# Altium PCB Digital_Optical.PcbDoc (part 1 of 3)
Units mm, origin at the board's own origin, x right, y up, seen from the top; angles counter-clockwise.
Board outline 155.98 x 100 mm, 2 copper layers (Top Layer, Bottom Layer); 402 components, 235 nets, 1241 pads, 390 vias.
Unrouted connection lines stored in the file: 44.
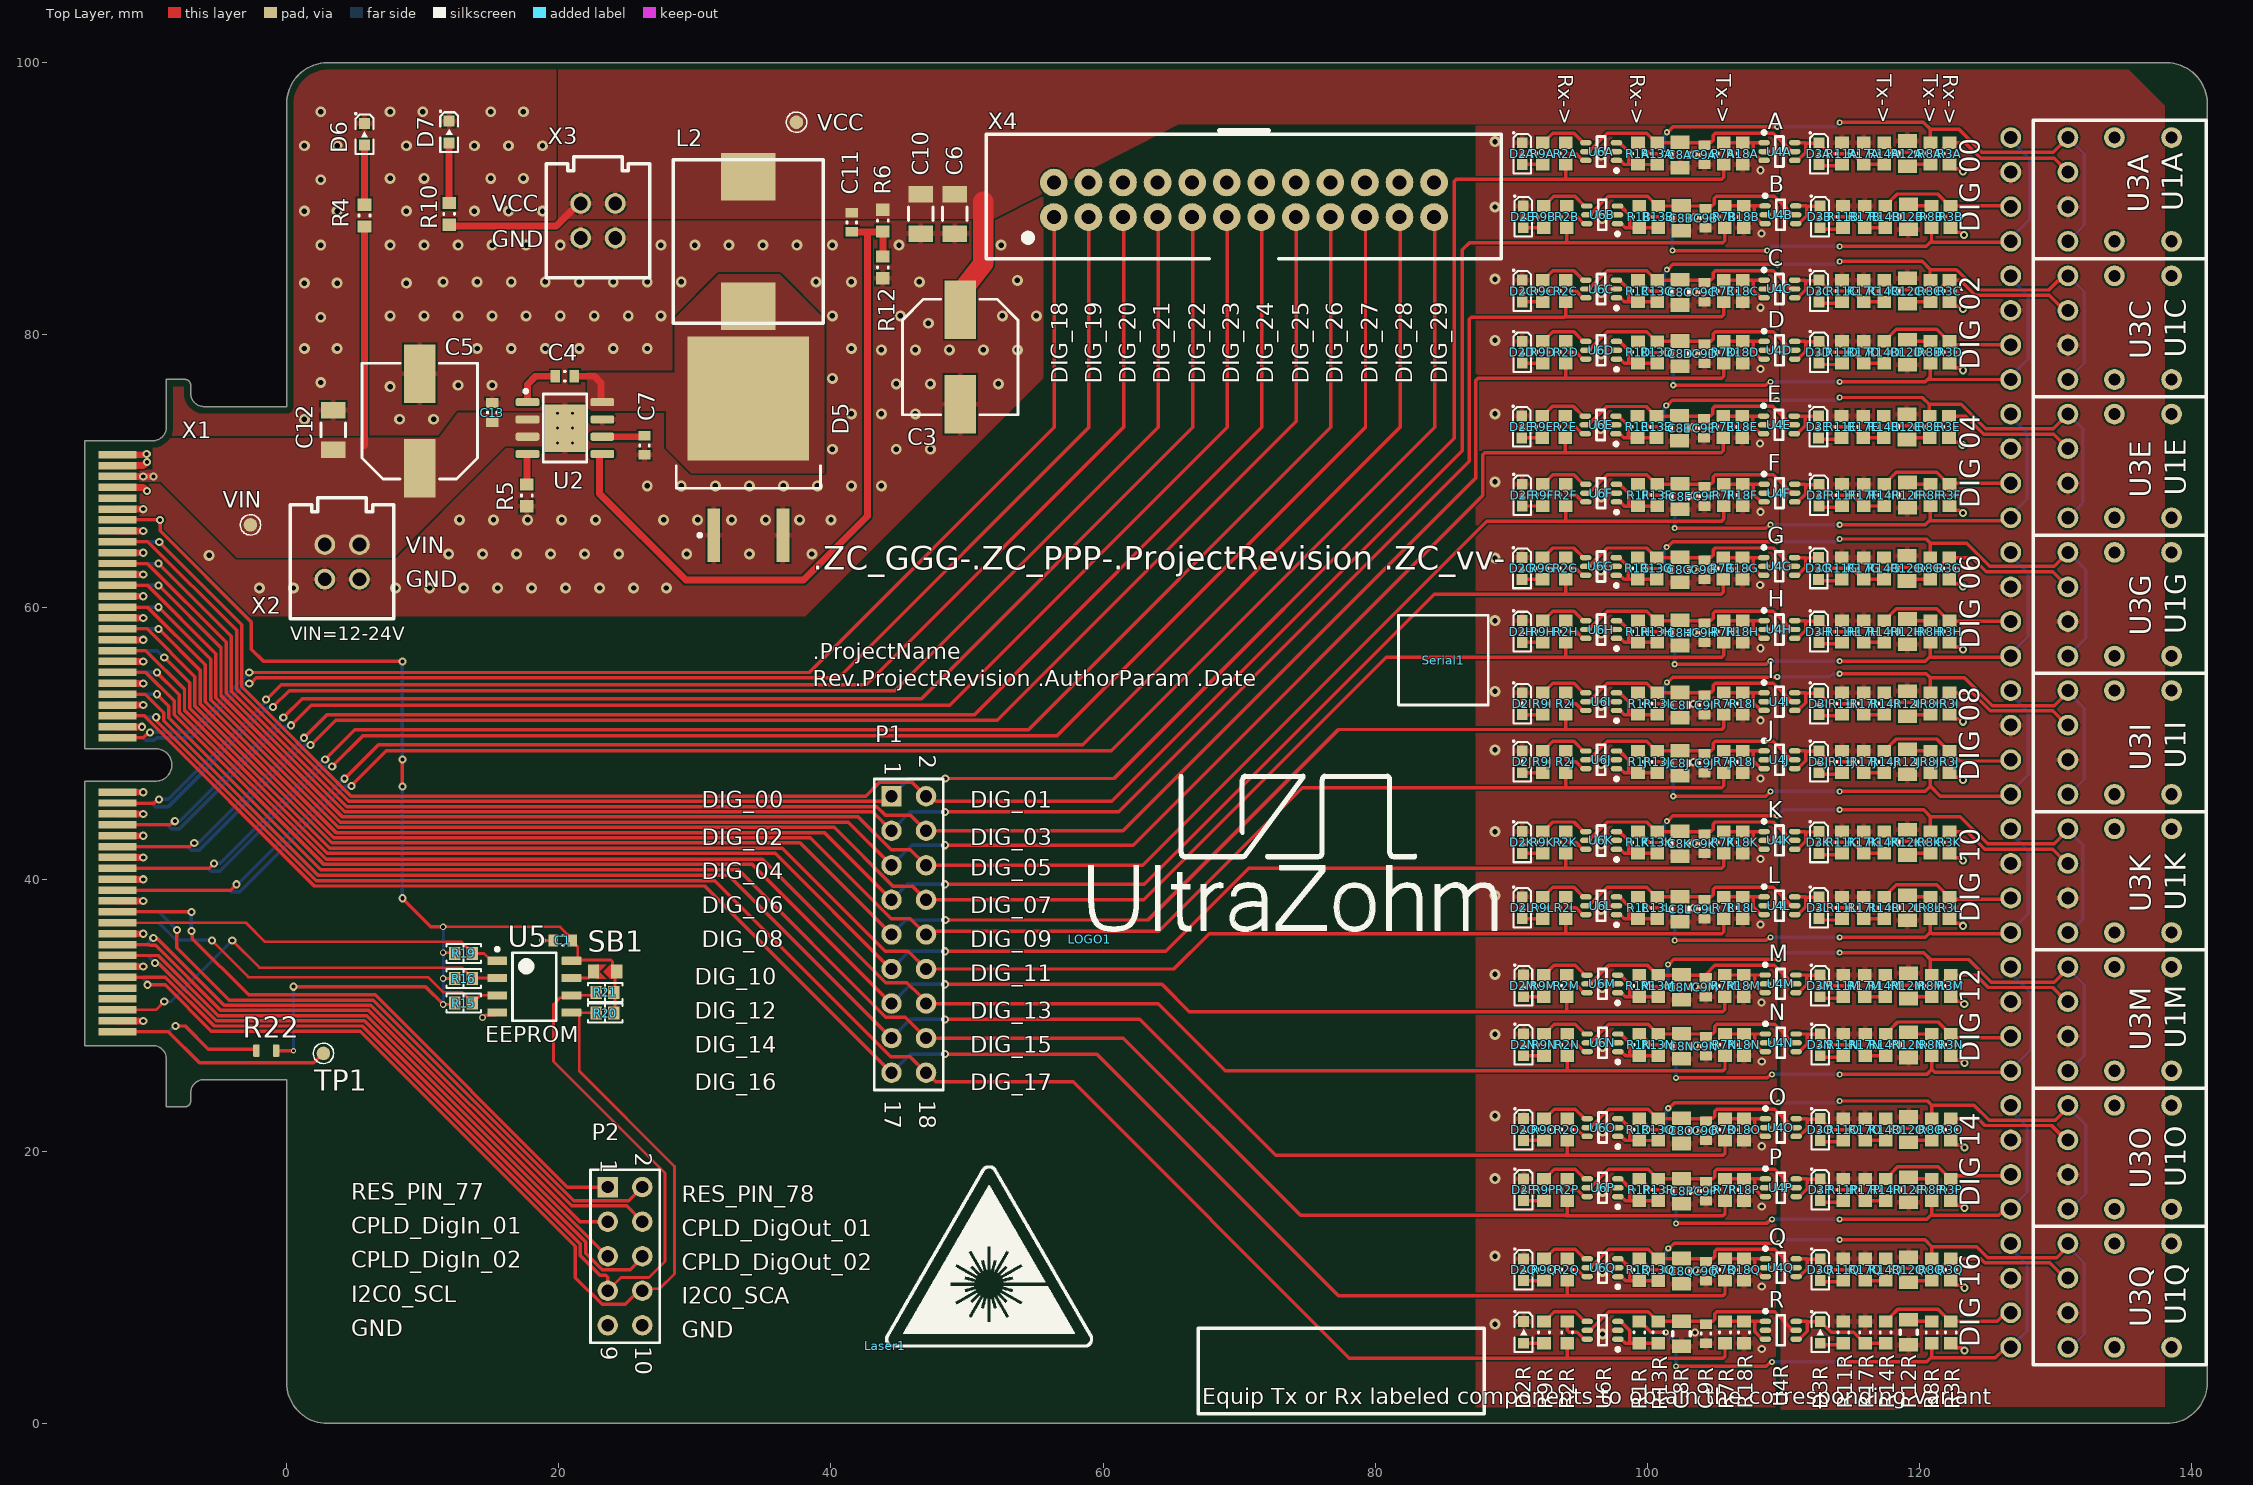
[diagram p0: Top Layer view]
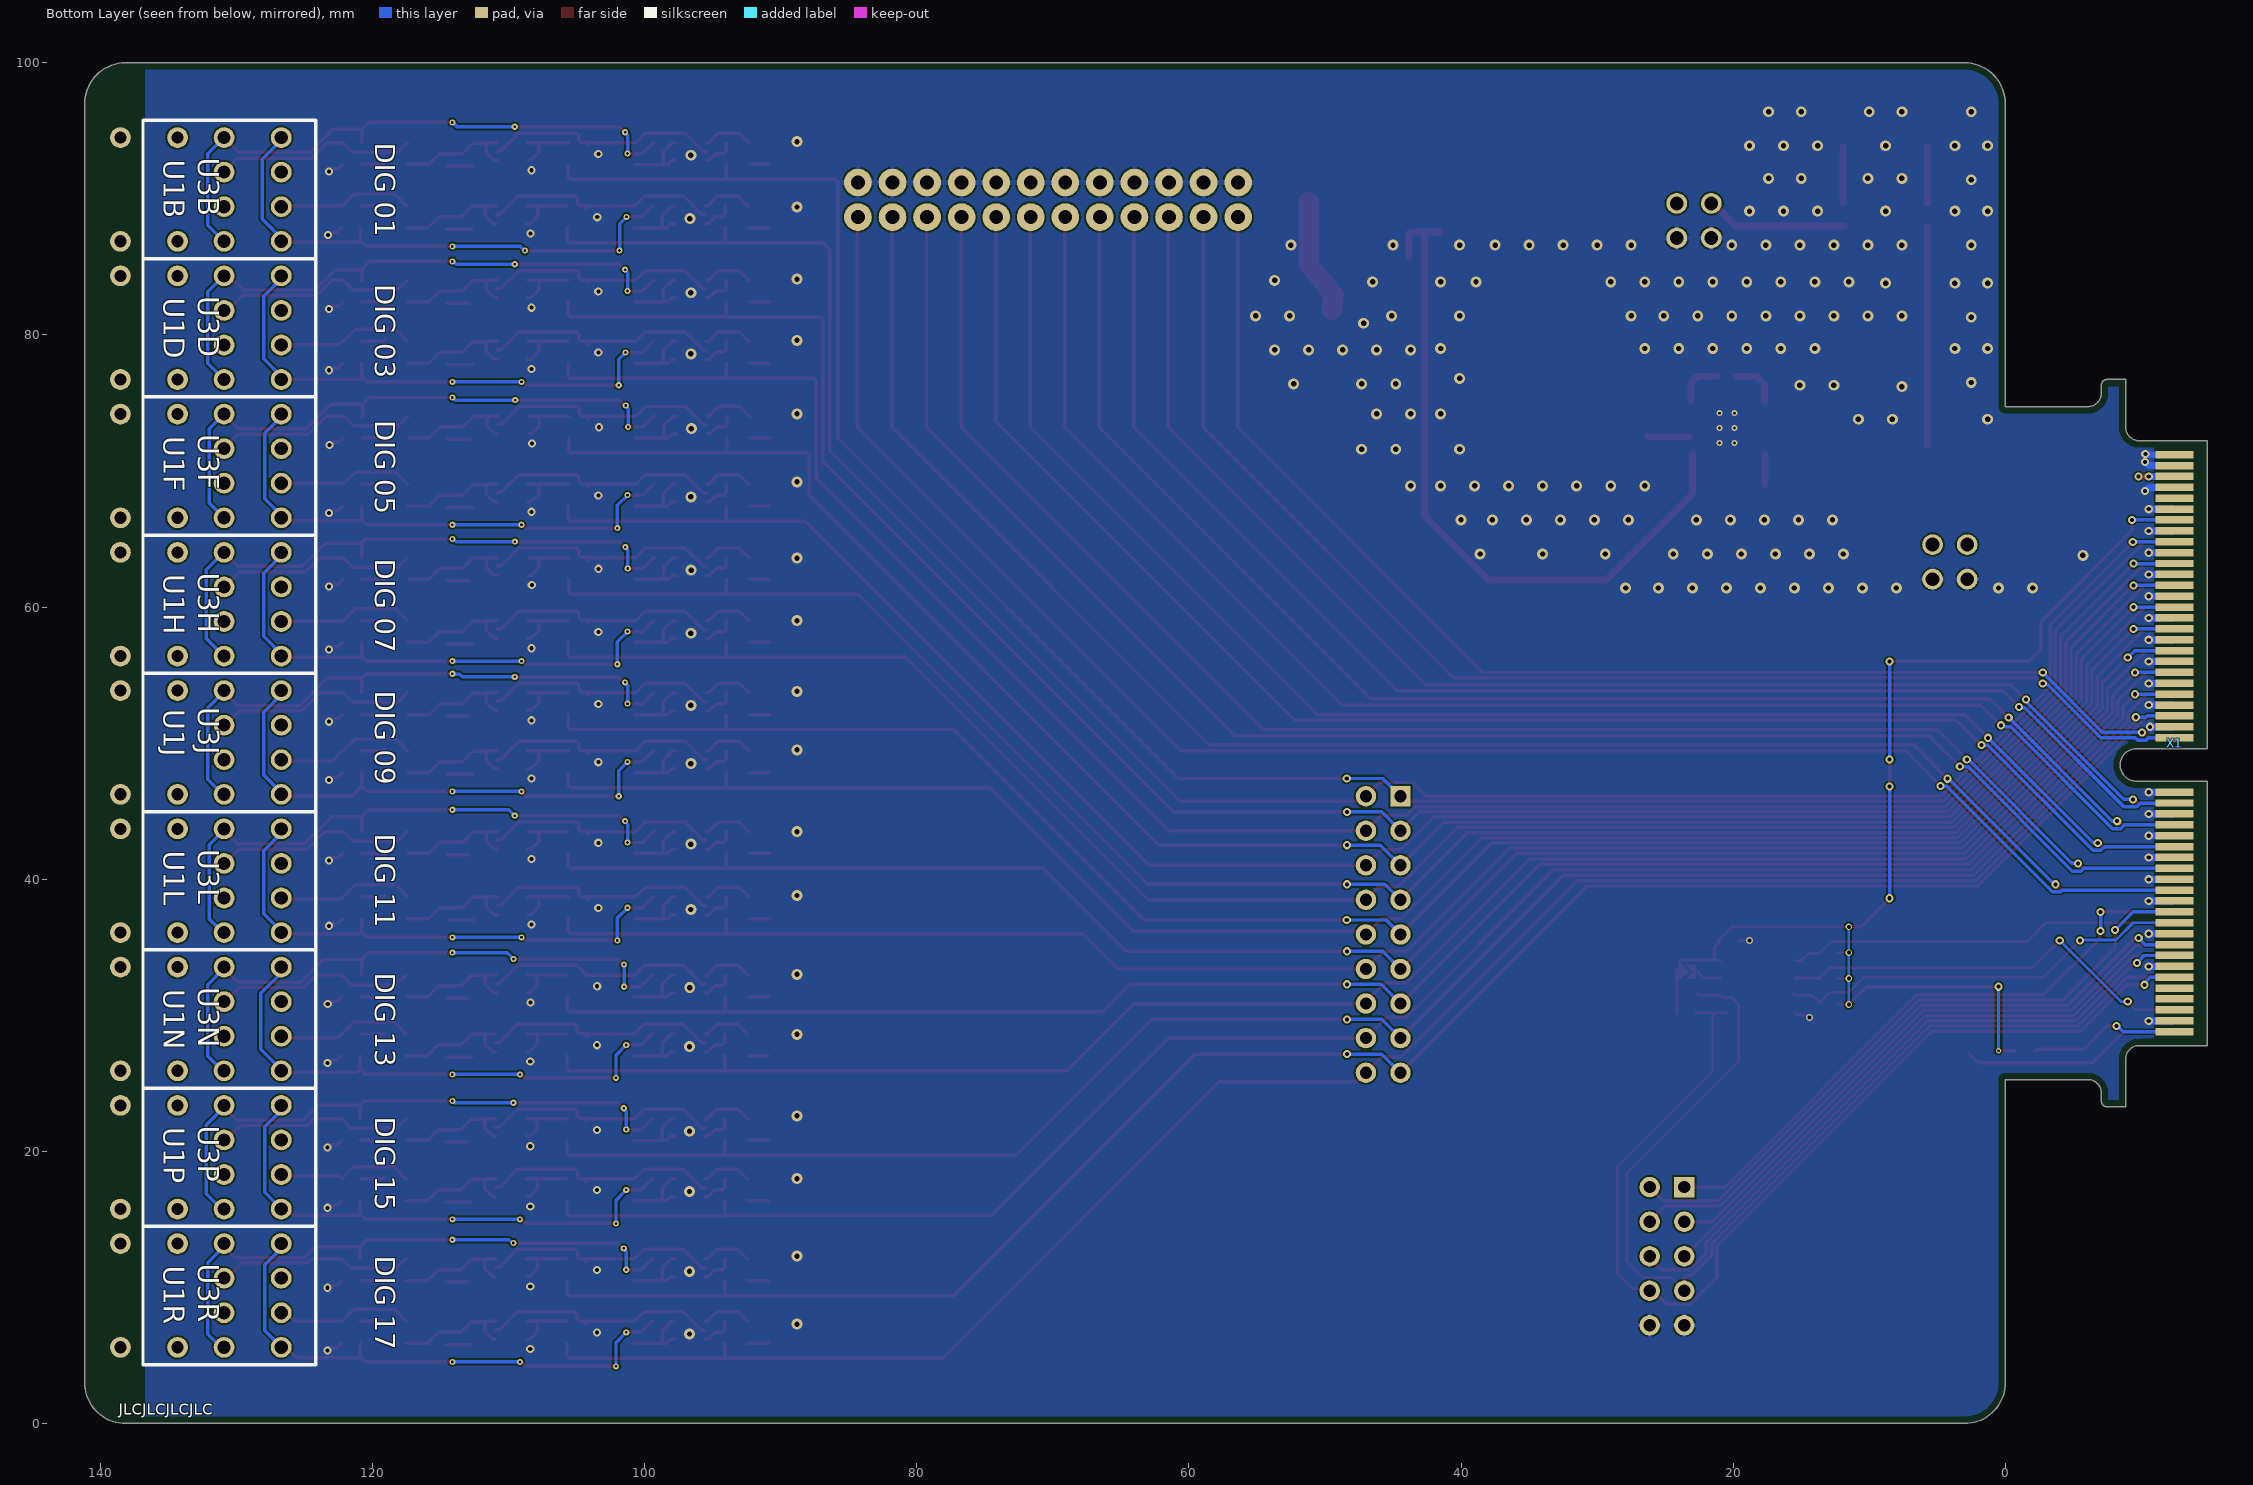
[diagram p1: Bottom Layer view, seen from below]
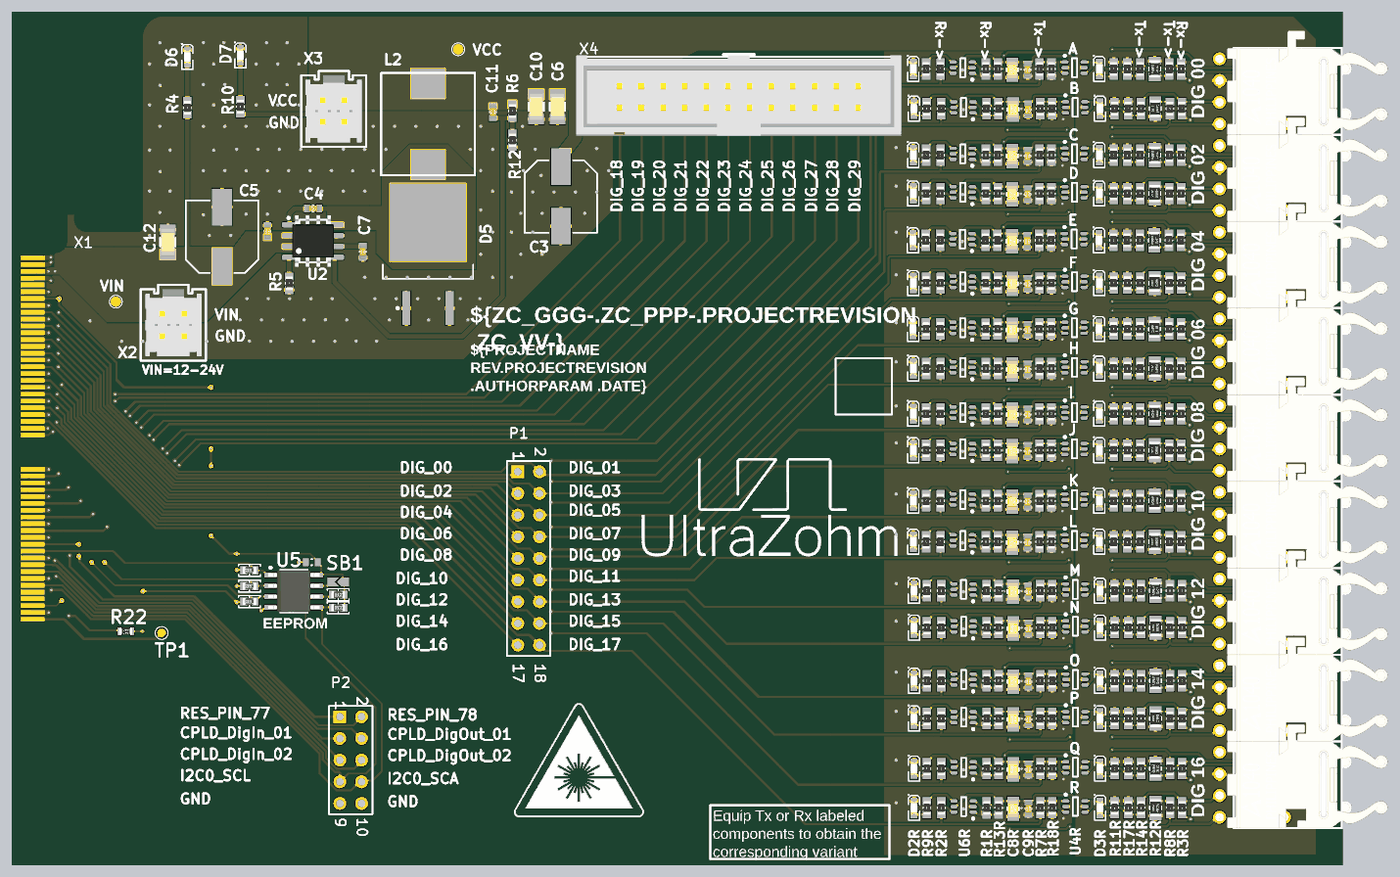
[diagram p4: 3D render of the assembled board from above, using the file's embedded part models]
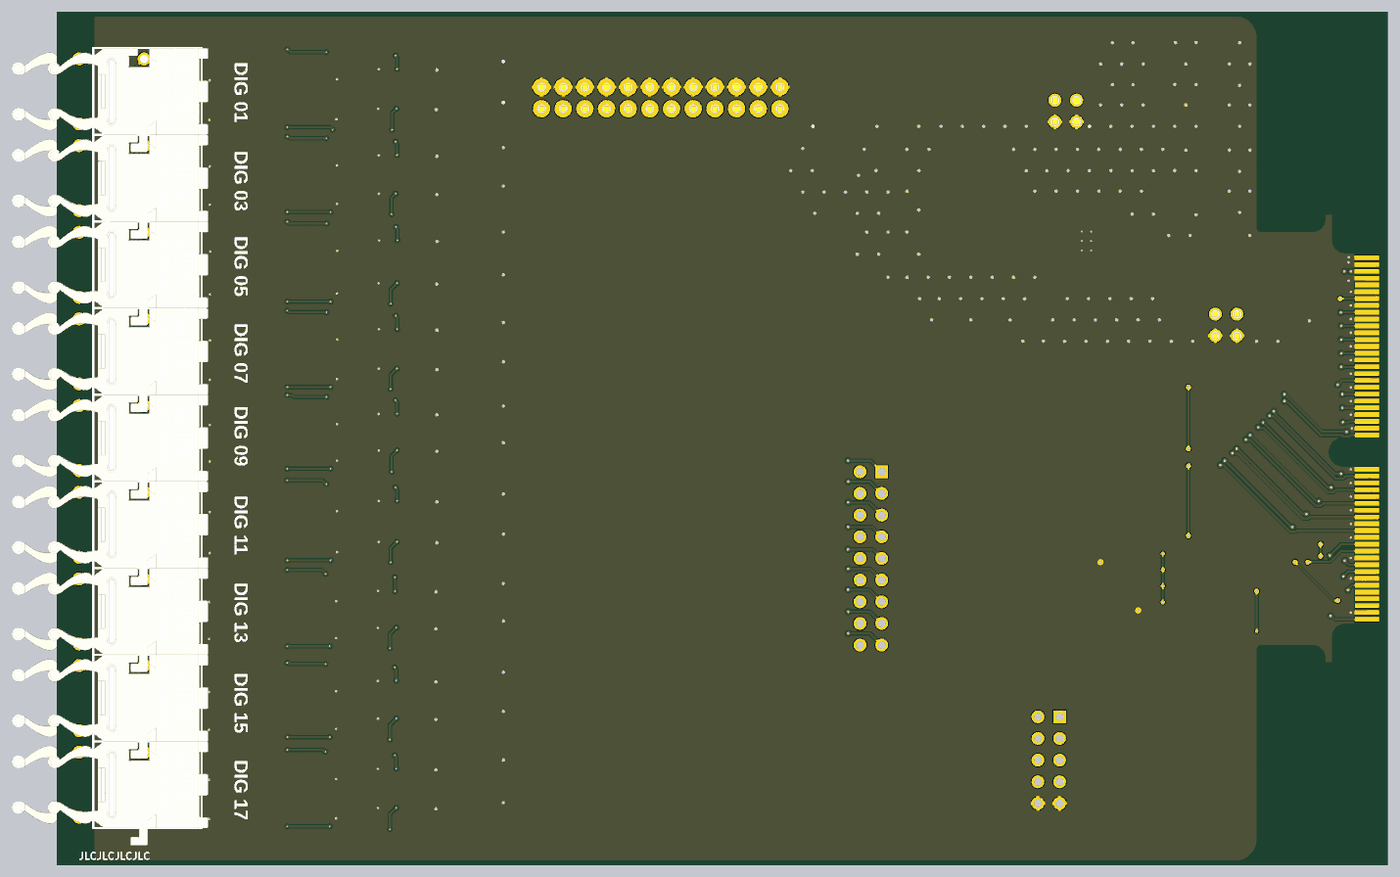
[diagram p5: 3D render of the assembled board from below, using the file's embedded part models]

## Layer stack, top to bottom
Top Solder: solder mask 0.0102, Solder Resist, Dk 3.5
Top Layer: signal copper 0.0356
Dielectric 1: dielectric 0.32, FR-4, Dk 4.8
Bottom Layer: signal copper 0.0356
Bottom Solder: solder mask 0.0102, Solder Resist, Dk 3.5

## Board outline
-14.84,27.775 -9.84,27.775 cw(c-9.84,26.775) -8.84,26.775 -8.84,23.275 -7.46,23.275 ccw(c-7.46,23.675) -7.06,23.675 -7.06,24.275 cw(c-6.06,24.275) -6.06,25.275 0,25.275 0,3 ccw(c3,3) 3,0 138.141,0 ccw(c138.141,3) 141.141,3 141.141,97 ccw(c138.141,97) 138.141,100 3,100 ccw(c3,97) 0,97 0,74.725 -6.06,74.725 cw(c-6.06,75.725) -7.06,75.725 -7.06,76.325 ccw(c-7.46,76.325) -7.46,76.725 -8.84,76.725 -8.84,73.225 cw(c-9.84,73.225) -9.84,72.225 -14.84,72.225 -14.84,49.6 -9.64,49.6 cw(c-9.64,48.4) -9.64,47.2 -14.84,47.2

## Design rules (kind name [scope] priority, off if disabled: settings)
BoardOutlineClearance [All] p1: gap=0.508 ignorepadtopadclearanceinfootprint=FALSE except(0: Arc-OutlineEdge Arc-CavityEdge Arc-CutoutEdge Arc-SplitBarrior Arc-SplitContinuation Track-OutlineEdge Track-CavityEdge Track-CutoutEdge Track-SplitBarrior Track-SplitContinuation Region-OutlineEdge Region-CavityEdge Region-CutoutEdge Region-SplitBarrior Region-SplitContinuation Text-OutlineEdge Text-CavityEdge Text-CutoutEdge Text-SplitBarrior Text-SplitContinuation)
Clearance Clearance_Vin [InNet('VIN') vs InNet('VIN') AND NOT InComponent('X1')] p1: gap=0.375 ignorepadtopadclearanceinfootprint=FALSE
Clearance Clearance_1 [All] p2: gap=0.127 ignorepadtopadclearanceinfootprint=FALSE
HoleSize [All] p1: absolutevalues=TRUE maxlimit=6.3 minlimit=0.2 maxpercent=80.000 minpercent=20.000
MinimumSolderMaskSliver [All] p1: minsoldermaskwidth=0
PolygonConnect PolygonConnect_1 [InNet('VIN')   or InNet('SW') or (InNet('VCC')   and InComponentClass('Power'))] p1: connectstyle=Direct reliefconductorwidth=0.4 reliefentries=4 polygonreliefangle="90 Angle" airgapwidth=0.254
PolygonConnect [All] p2: thpad.connectstyle=Relief thpad.reliefconductorwidth=0.381 thpad.reliefentries=4 thpad.polygonreliefangle="90 Angle" thpad.airgapwidth=0.127 smdpad.connectstyle=Relief smdpad.reliefconductorwidth=0.381 smdpad.reliefentries=4 smdpad.polygonreliefangle="90 Angle" smdpad.airgapwidth=0.127 via.connectstyle=Direct via.reliefconductorwidth=0.381 via.reliefentries=4 via.polygonreliefangle="90 Angle" via.airgapwidth=0.127
RoomDefinition TX_RX17 [InComponentClass('TX_RX17')] p1: confinementstyle=ConfineIn formatcopy=TRUE lockcomponents=FALSE outline 90,4.5 123.9,4.5 123.9,8.8 90,8.8
RoomDefinition TX_RX0 [InComponentClass('TX_RX0')] p2: confinementstyle=ConfineIn formatcopy=TRUE lockcomponents=FALSE outline 89.9,91.125 123.8,91.125 123.8,95.425 89.9,95.425
RoomDefinition TX_RX9 [InComponentClass('TX_RX9')] p3: confinementstyle=ConfineIn formatcopy=TRUE lockcomponents=FALSE outline 89.9,46.425 123.8,46.425 123.8,50.725 89.9,50.725
RoomDefinition TX_RX2 [InComponentClass('TX_RX2')] p4: confinementstyle=ConfineIn formatcopy=TRUE lockcomponents=FALSE outline 89.9,81.025 123.8,81.025 123.8,85.325 89.9,85.325
RoomDefinition TX_RX16 [InComponentClass('TX_RX16')] p5: confinementstyle=ConfineIn formatcopy=TRUE lockcomponents=FALSE outline 90,9.1 123.9,9.1 123.9,13.4 90,13.4
RoomDefinition TX_RX15 [InComponentClass('TX_RX15')] p6: confinementstyle=ConfineIn formatcopy=TRUE lockcomponents=FALSE outline 90,14.975 123.9,14.975 123.9,19.275 90,19.275
RoomDefinition TX_RX14 [InComponentClass('TX_RX14')] p7: confinementstyle=ConfineIn formatcopy=TRUE lockcomponents=FALSE outline 90,19.4 123.9,19.4 123.9,23.7 90,23.7
RoomDefinition TX_RX13 [InComponentClass('TX_RX13')] p8: confinementstyle=ConfineIn formatcopy=TRUE lockcomponents=FALSE outline 90,25.625 123.9,25.625 123.9,29.925 90,29.925
RoomDefinition TX_RX10 [InComponentClass('TX_RX10')] p9: confinementstyle=ConfineIn formatcopy=TRUE lockcomponents=FALSE outline 89.9,40.5 123.8,40.5 123.8,44.8 89.9,44.8
RoomDefinition TX_RX8 [InComponentClass('TX_RX8')] p10: confinementstyle=ConfineIn formatcopy=TRUE lockcomponents=FALSE outline 89.9,50.7 123.8,50.7 123.8,55 89.9,55
RoomDefinition TX_RX7 [InComponentClass('TX_RX7')] p11: confinementstyle=ConfineIn formatcopy=TRUE lockcomponents=FALSE outline 89.9,56 123.8,56 123.8,60.3 89.9,60.3
RoomDefinition TX_RX6 [InComponentClass('TX_RX6')] p12: confinementstyle=ConfineIn formatcopy=TRUE lockcomponents=FALSE outline 89.886,60.636 123.786,60.636 123.786,64.936 89.886,64.936
RoomDefinition TX_RX5 [InComponentClass('TX_RX5')] p13: confinementstyle=ConfineIn formatcopy=TRUE lockcomponents=FALSE outline 89.9,66.025 123.8,66.025 123.8,70.325 89.9,70.325
RoomDefinition TX_RX4 [InComponentClass('TX_RX4')] p14: confinementstyle=ConfineIn formatcopy=TRUE lockcomponents=FALSE outline 89.861,71.036 123.761,71.036 123.761,75.336 89.861,75.336
RoomDefinition TX_RX3 [InComponentClass('TX_RX3')] p15: confinementstyle=ConfineIn formatcopy=TRUE lockcomponents=FALSE outline 89.9,76.525 123.8,76.525 123.8,80.825 89.9,80.825
RoomDefinition TX_RX1 [InComponentClass('TX_RX1')] p16: confinementstyle=ConfineIn formatcopy=TRUE lockcomponents=FALSE outline 89.975,86.475 123.875,86.475 123.875,90.775 89.975,90.775
RoomDefinition TX_RX11 [InComponentClass('TX_RX11')] p17: confinementstyle=ConfineIn formatcopy=TRUE lockcomponents=FALSE outline 89.9,35.7 123.8,35.7 123.8,40 89.9,40
RoomDefinition TX_RX12 [InComponentClass('TX_RX12')] p18: confinementstyle=ConfineIn formatcopy=TRUE lockcomponents=FALSE outline 89.983,29.958 123.883,29.958 123.883,34.258 89.983,34.258
RoomDefinition Power [InComponentClass('Power')] p19: confinementstyle=ConfineIn formatcopy=TRUE lockcomponents=FALSE outline -3.821,58.647 60.879,58.647 60.879,96.847 -3.821,96.847
RoutingVias [All] p1: holewidth=0.3 width=0.6 viastyle="Through Hole" minholewidth=0.3 minwidth=0.6 maxholewidth=0.4 maxwidth=0.8
SMDToPlane [All] p1 off: distance=0
SilkToSilkClearance [All] p1: silktosilkclearance=0
SilkToSolderMaskClearance [IsPad] p1: minsilkscreentomaskgap=0 clearancetoexposedcopper=TRUE
SolderMaskExpansion [All] p1: expansion=0.102 istentingtop=FALSE
Width Width_PWR [InNet('VCC') or InNet('GND') or InNet('VIN')] p1: maxlimit=1.5 minlimit=0.127 preferedwidth=0.508 minimp=50.000000 maximp=50.000000 favimp=50.000000
Width [All] p2: maxlimit=1.5 minlimit=0.127 preferedwidth=0.254 minimp=50.000000 maximp=50.000000 favimp=50.000000
26 further rules are at their usual default settings.

## Classes and differential pairs
component class TX_RX0: C8A C9A D2A D3A R1A R2A R3A R7A R8A R9A R11A R12A R13A R14A R17A R18A U1A U3A U4A U6A
channel class Optical_RX_TX: TX_RX0 TX_RX1 TX_RX2 TX_RX3 TX_RX4 TX_RX5 TX_RX6 TX_RX7 TX_RX8 TX_RX9 TX_RX10 TX_RX11 TX_RX12 TX_RX13 TX_RX14 TX_RX15 TX_RX16 TX_RX17
component class TX_RX17: C8R C9R D2R D3R R1R R2R R3R R7R R8R R9R R11R R12R R13R R14R R17R R18R U1R U3R U4R U6R
component class TX_RX16: C8Q C9Q D2Q D3Q R1Q R2Q R3Q R7Q R8Q R9Q R11Q R12Q R13Q R14Q R17Q R18Q U1Q U3Q U4Q U6Q
component class TX_RX15: C8P C9P D2P D3P R1P R2P R3P R7P R8P R9P R11P R12P R13P R14P R17P R18P U1P U3P U4P U6P
component class TX_RX14: C8O C9O D2O D3O R1O R2O R3O R7O R8O R9O R11O R12O R13O R14O R17O R18O U1O U3O U4O U6O
component class TX_RX13: C8N C9N D2N D3N R1N R2N R3N R7N R8N R9N R11N R12N R13N R14N R17N R18N U1N U3N U4N U6N
component class TX_RX12: C8M C9M D2M D3M R1M R2M R3M R7M R8M R9M R11M R12M R13M R14M R17M R18M U1M U3M U4M U6M
component class TX_RX11: C8L C9L D2L D3L R1L R2L R3L R7L R8L R9L R11L R12L R13L R14L R17L R18L U1L U3L U4L U6L
component class TX_RX10: C8K C9K D2K D3K R1K R2K R3K R7K R8K R9K R11K R12K R13K R14K R17K R18K U1K U3K U4K U6K
component class TX_RX9: C8J C9J D2J D3J R1J R2J R3J R7J R8J R9J R11J R12J R13J R14J R17J R18J U1J U3J U4J U6J
component class TX_RX8: C8I C9I D2I D3I R1I R2I R3I R7I R8I R9I R11I R12I R13I R14I R17I R18I U1I U3I U4I U6I
component class TX_RX7: C8H C9H D2H D3H R1H R2H R3H R7H R8H R9H R11H R12H R13H R14H R17H R18H U1H U3H U4H U6H
component class TX_RX6: C8G C9G D2G D3G R1G R2G R3G R7G R8G R9G R11G R12G R13G R14G R17G R18G U1G U3G U4G U6G
component class TX_RX5: C8F C9F D2F D3F R1F R2F R3F R7F R8F R9F R11F R12F R13F R14F R17F R18F U1F U3F U4F U6F
net class Signal[0..17]: Signal0 Signal1 Signal2 Signal3 Signal4 Signal5 Signal6 Signal7 Signal8 Signal9 Signal10 Signal11 Signal12 Signal13 Signal14 Signal15 Signal16 Signal17
component class TX_RX4: C8E C9E D2E D3E R1E R2E R3E R7E R8E R9E R11E R12E R13E R14E R17E R18E U1E U3E U4E U6E
component class TX_RX3: C8D C9D D2D D3D R1D R2D R3D R7D R8D R9D R11D R12D R13D R14D R17D R18D U1D U3D U4D U6D
component class Connector: C1 P2 R3* R15 R16 R19 R20 R21 R22 SB1 TP1 U5 X1
component class Power: C3 C4 C5 C6 C7 C10 C11 C12 C13 D5 D6 D7 L2 R4 R5 R6 R10 R12 U2 VCC VIN X2
component class TX_RX1: C8B C9B D2B D3B R1B R2B R3B R7B R8B R9B R11B R12B R13B R14B R17B R18B U1B U3B U4B U6B
component class TX_RX2: C8C C9C D2C D3C R1C R2C R3C R7C R8C R9C R11C R12C R13C R14C R17C R18C U1C U3C U4C U6C
component class TopSheet: Laser1 LOGO1 P1 Serial1 X3 X4
